# Altium PCB DI543.PcbDoc (part 7 of 8) (continued)
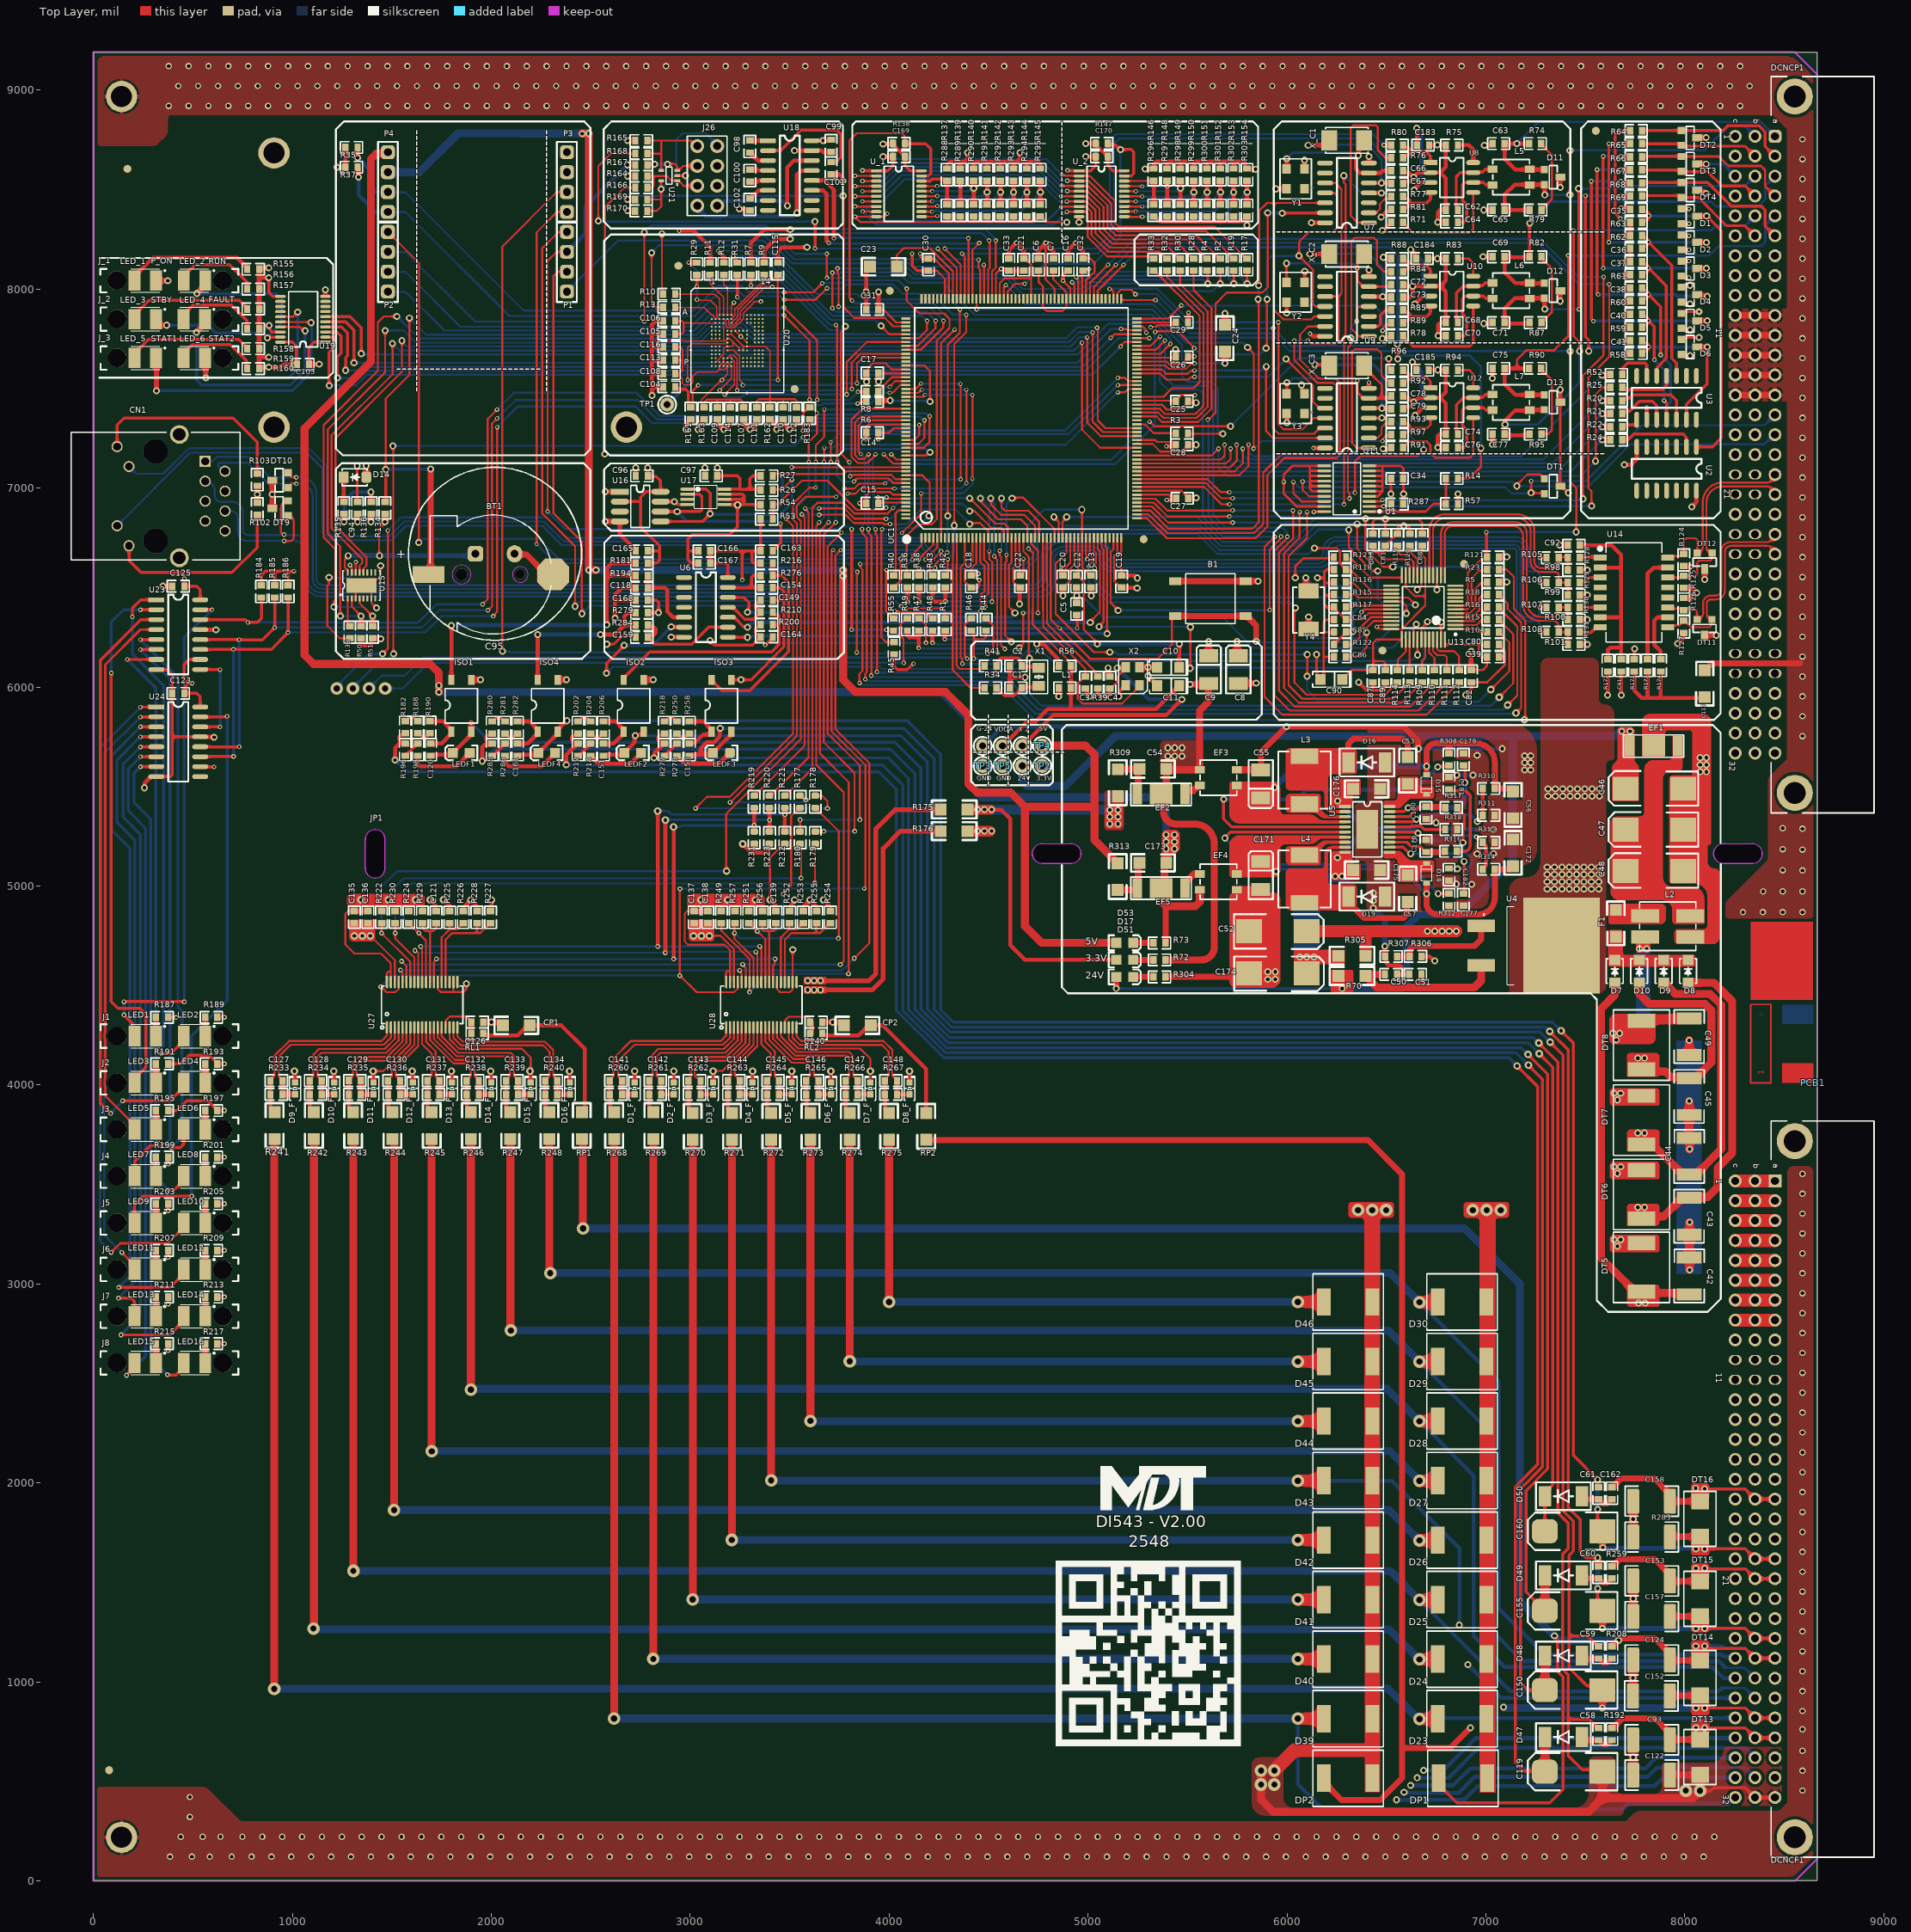
[diagram p0: Top Layer view]
## Nets (pads, with @x,y where several pads share a name; then routed paths per layer and width w, separated by ;. In a path a pad name is that pad's centre, name@x,y a point inside that pad or via, vN(x,y) a via of type N, cw(c..) or ccw(c..) an arc to the next point about the centre after c; other vN are vias at no path point) (continued)
  Top Layer w5.91: v3(3172.88,7471) 3223,7521.12 3223,7637.51 U20.M6@3206.97,7653.54
  Top Layer w10: 3786.81,7501.19 3786.81,7471.6 v3(3787.4,7471) ; 3787,7502 3787,7634 3887.59,7734.59 UC1.163@4084.48,7734.59
  Bottom Layer w10: v3(3172.88,7471) 3188.88,7455 3256.18,7455 3272.18,7471 v3@3786,7471
NetU23_9: U23.9 U24.14 | length 488
  Top Layer w15: U24.14@536.81,5800.16 v3(636.81,5800.2) ; U23.9@536.78,6088.85 537.4,6088.22 636.19,6088.22 v3(636.81,6087.6)
  Bottom Layer w15: v3(636.81,5800.2) v3(636.81,6087.6)
os1: C66.2 U7.6 X_C1.1 Y1.3 | length 780.8
  Top Layer w20: Y1.3@5998.76,8604.46 v1(5998.76,8655.76) ; X_C1.1@6388.5,8748.08 6360.27,8719.86 6360.27,8673.27 v1(6359.25,8672.24) 6359.25,8668.19 6346.91,8655.85 6346.91,8604.86 6367.01,8584.77 6411.23,8584.77 U7.6@6412,8584 6470,8584 6481.15,8595.15 C66.2@6524,8595.15
  Bottom Layer w11.81: v1(5998.76,8655.76) 6029.02,8686.02 6340.74,8686.02 6354.52,8672.24 v1(6359.25,8672.24)
os2: C72.2 U9.6 X_C2.1 Y2.3 | length 796.2
  Top Layer w11.81: v1(5998.03,8129.92) 5998.03,8035.26 Y2.3@5998.76,8034.53 ; v4(6353,8107) 6354.4,8105.6 6354.4,8042.6 6384,8013 U9.6@6412,8013 6513.91,8013 6524,8023.09 C72.2@6524,8023.89 ; v4@6354.4,8107 6354.4,8142.98 X_C2.1@6388.5,8177.08
  Bottom Layer w11.81: v1(5998.03,8129.92) 6330.08,8129.92 v4(6353,8107)
os3: C78.2 U11.6 X_C3.1 Y3.3 | length 871.5
  Top Layer w11.81: Y3.3@5998.76,7474.94 6000,7476.19 v1(6000,7530.19) ; v3(6354.33,7540.35) 6354.33,7481.67 6384,7452 U11.6@6432.6,7452 ; X_C3.1@6388.5,7616 6388.5,7606 6422.59,7571.91 6424.72,7571.91 6477,7519.63 6477,7452 ; C78.2@6513.91,7452 6524,7462.09 C78.2@6524,7462.78
  Top Layer w17: U11.6@6432.6,7452 6477,7452 C78.2@6513.91,7452
  Bottom Layer w11.81: v1(6000,7530.19) 6005.97,7530.19 6027.89,7552.11 6339.82,7552.11 6351.57,7540.35 v3(6354.33,7540.35)
RD1_N: R131.2 U14.8 | length 116.1
  Top Layer w15: R131.2@7469.65,6273.62 7527.56,6273.62 7547.32,6293.38 7567,6293.38 U14.8@7574.46,6300.84
RD1_P: R130.2 U14.6 | length 101.2
  Top Layer w12: R130.2@7473.25,6400.84 U14.6@7574.46,6400.84
RD2_N: CN1.6 DT9.1 R108.2 | length 7851.2
  Top Layer w10: v3(958.66,6734.25) 986.22,6734.25 ccw(c986.22,6754.92) 1006.89,6754.92 1006.89,6833.28 ccw(c978.89,6833.28) DT9.1@978.89,6861.28 ; v3(7270.67,6276.57) 7305.06,6276.57 R108.2@7305.06,6276.74
  Bottom Layer w10: CN1.6@661.86,6884.84 689.96,6884.84 cw(c689.96,6848.13) 726.68,6848.13 726.68,6778.91 ccw(c770.59,6778.91) 770.59,6735 958.66,6735 1015.59,6735 cw(c1015.59,6690.59) 1060,6690.59 1060,6543 ccw(c1147.59,6543) 1147.59,6455.41 4761.27,6455.41 ccw(c4761.27,6524.14) 4830,6524.14 4830,6544 4830,6635.19 cw(c4881.81,6635.19) 4881.81,6687 5015,6687 cw(c5015,6644) 5058,6644 ccw(c5119,6644) 5119,6583 6162,6583 6162.13,6583 ccw(c6162.13,6666.87) 6221.44,6607.56 ccw(c6172.15,6656.85) 6241.85,6656.85 cw(c6281,6656.85) 6281,6696 7142.58,6696 cw(c7142.58,6684.06) 7154.53,6684.06 7154.53,6381.8 ccw(c7203.43,6381.8) 7203.43,6332.91 7250.76,6332.91 cw(c7250.76,6312.99) 7270.67,6312.99 v3(7270.67,6276.57)
RD2_P: CN1.3 DT9.2 R107.2 | length 8051.9
  Top Layer w10: v3@958.66,6765.75 cw(c958.66,6781.5) 942.91,6781.5 942.91,6900.31 cw(c978.89,6900.31) DT9.2@978.89,6936.28 ; v3(7270.67,6401.57) 7305.06,6401.57 R107.2@7305.06,6401.31
  Bottom Layer w10: CN1.3@561.86,7034.89 cw(c561.86,6986.51) 610.24,6986.51 610.24,6961.61 ccw(c640.75,6961.61) 640.75,6931.1 695.87,6931.1 cw(c695.87,6875.98) 750.98,6875.98 750.98,6789.03 ccw(c775.01,6789.03) 775.01,6765 1017.71,6765 cw(c1017.71,6703.71) 1079,6703.71 1079,6543 ccw(c1147.59,6543) 1147.59,6474.41 4741.41,6474.41 ccw(c4741.41,6544) 4811,6544 4811,6635.19 cw(c4881.81,6635.19) 4881.81,6706 5015,6706 cw(c5015,6644) 5077,6644 ccw(c5119,6644) 5119,6602 6162.04,6602 6162.13,6602 ccw(c6162.13,6666.87) 6208,6621 ccw(c6172.15,6656.85) 6222.85,6656.85 cw(c6281,6656.85) 6281,6715 7142.58,6715 cw(c7142.58,6684.06) 7173.53,6684.06 7173.53,6381.8 ccw(c7203.43,6381.8) 7203.43,6351.91 7249.54,6351.91 ccw(c7249.54,6373.03) 7270.67,6373.03 v3(7270.67,6401.57)
  other v3: 958.66,6766.73
RD_N: R101.1 R108.1 R131.1 U13.13 | length 1374.6
  Top Layer w10: U13.13@6794.08,6562.05 6793.74,6562.39 6793.74,6770.04 cw(c6833.69,6770.09) 6833.69,6810.04 7135.36,6810.04 cw(c7135.36,6758.39) 7187.01,6758.39 7187.01,6417.87 ccw(c7271.21,6417.76) 7275.38,6333.66 7337.35,6333.66 cw(c7337.35,6304.95) 7366.06,6304.95 R108.1@7366.06,6276.74 R131.1@7412.25,6276.74 R101.1@7412.25,6214.46
RD_P: R100.1 R107.1 R130.1 U13.14 | length 1377.4
  Top Layer w10: U13.14@6774.4,6562.05 6774.74,6562.39 6774.74,6770.09 cw(c6833.69,6770.09) 6833.69,6829.04 7148.68,6829.04 cw(c7148.68,6771.71) 7206.01,6771.71 7206.01,6426.29 ccw(c7280.33,6426.45) 7271.46,6352.66 7336.54,6352.66 ccw(c7336.54,6382.18) 7366.06,6382.18 R107.1@7366.06,6401.31 R130.1@7412.25,6401.31 7412.25,6359.64
RDB_N: DCNCP1.A22 DT11.1 R127.1 U14.9 | length 981.5
  Top Layer w10: U14.9@7914.46,6300.84 7924.22,6310.59 7972.14,6310.59 7980.6,6319.05 7980.6,6322.55 7991.6,6333.55 R127.1@7995.1,6333.55 ; R127.1@8003.88,6329.39 8032.1,6301.18 8124.02,6301.18 8135.9,6313.07 8135.9,6339.65 8136.46,6340.21 cw(c8136.46,6365.45) 8111.22,6365.45 8111.22,6421.26 cw(c8130.61,6421.26) 8130.61,6440.65 8155.51,6440.65 ccw(c8155.51,6487.13) 8202,6487.13 8202,6680 cw(c8232,6680) 8232,6710 8412.28,6710 cw(c8412.28,6668.5) DCNCP1.A22@8453.78,6668.5
RDB_P: DCNCP1.A21 DT11.2 R126.1 U14.11 | length 945.1
  Top Layer w10: U14.11@7914.46,6400.84 7920.62,6394.69 7987.11,6394.69 R126.1@7995.1,6386.7 cw(c8004.06,6386.7) 8004.06,6395.67 8039.37,6395.67 cw(c8039.37,6373.57) 8061.46,6373.57 8061.46,6340.21 ccw(c8061.46,6370.97) 8092.22,6370.97 8092.22,6421.26 cw(c8130.61,6421.26) 8130.61,6459.65 8155.51,6459.65 ccw(c8155.51,6487.13) 8183,6487.13 8183,6680 cw(c8232,6680) 8232,6729 8414.28,6729 ccw(c8414.28,6768.5) DCNCP1.A21@8453.78,6768.5
RET24: C46.2 C47.2 C48.2 C50.1 C51.1 C52.2 C55.2 C56.1 C171.2 C172.1 C174.2 C175.2 C176.2 C177.1 C178.2 C179.1 C180.1 C181.1 C182.1 D16.A D19.A EF1.2 EF3.2 EF4.1 G-24.1 L2.3 R304.2 R307.1 R311.1 R315.1 R318.1 U5.21 | length 4755.9
  Top Layer w20: C55.2@5868.84,5583.25 C55.2@5870.52,5583.25 ; R307.1@6493.54,4645.98 6499.54,4639.98 6499.54,4612.72 6511.26,4601 6568,4601 6584.37,4584.63 6584.37,4556.12 ; C51.1@6553.54,4559.49 C51.1@6553.54,4555.99 6553.67,4556.12 6584.37,4556.12 ; C50.1@6615.19,4556.25 6615.06,4556.12 6584.37,4556.12 ; v1@6659.13,5690.69 6659.13,5693.09 v1(6661.53,5690.69)
  Top Layer w30: R304.2@5390.19,4543.51 5804.12,4543.51 C174.2@5809.61,4549 ; C55.2@5870.52,5583.25 5870.52,5674.02 v1(5998,5801.5) 6585.5,5801.5 6659.13,5727.87 v1@6659.13,5693.09 ; v1(6493,4697) 6493.27,4696.73 6493.27,4646.25 R307.1@6493.54,4645.98 ; EF1.2@7843.5,5703.74 EF1.2@7859.25,5719.49
  Top Layer w35: EF4.1@5749.08,4982.06 C171.2@5867.43,4982.06 ; EF3.2@5749.08,5584.67 C55.2@5867.43,5584.67 ; C52.2@5804,4736 C52.2@5809,4736 ; C171.2@5867,4981.63 C171.2@5867.43,4982.06 ; C171.2@5868.84,4983.47 C171.2@5867.43,4982.06
  Bottom Layer w20: G-24.1@4470.32,5704.24 4567.59,5801.5 v1(5998,5801.5) ; v1(6661.53,5690.69) 6956,5690.69 ; v1(6750,5319) 6751.18,5319 6784.18,5286 v1(7037,5286) ; v1@6851,5558 v1(6854,5558) v1(6935,5558) ; v1@6853,5010 v1@6926,5010 ; v1(6956,5657) 6956,5690.69 ; v1(6956.25,5162) 6956.75,5162.5 7038,5162.5 v1(7038.5,5163) ; v1(7083,5690.69) 6956,5690.69
  Bottom Layer w30: v1(6435,4889.5) 6493,4831.5 ; v1(6493,4697) 6493,4831.5 ; 6493,4837 6493,4831.5
  other v1: 5904,4531 5941,4531 5904,4569 5941,4569 6435,4927.25 6435,4965 6929,5009 6851,5010 8077.74,5574.09 8109.24,5574.09 7194.5,5584.09 7226,5584.09 8077.74,5609.54 8109.24,5609.54 7194.5,5619.54 7226,5619.54 8077.74,5645 8109.24,5645 7194.5,5655 7226,5655
RET24F-1: C58.2 C119.2 C120.2 C122.1 C140.1 CP2.2 D1_F.2 D2_F.2 D3_F.2 D4_F.2 D5_F.2 D6_F.2 D7_F.2 D8_F.2 D39.A D40.A D41.A D42.A D43.A D44.A D45.A D46.A DCNCF1.A32 DCNCF1.B32 DP2.A DT13.A ISO1.2 LEDF1.K U28.7 U28.17 | length 17693.9
  Top Layer w9.84: v5@3114.15,4071.15 3162.62,4071.15 3298.69,4207.22 U28.7@3298.69,4289.32 ; U28.17@3495.54,4289.32 3495.54,4231.26 3543.23,4183.57 3854.43,4183.57 3906.01,4131.99 v5(3906.01,4069.8) ; D7_F.2@3905.6,4012.54 v5@3905.56,4067.35
  Top Layer w14.96: v7@8077.76,452.76 8078.51,452 8129.18,452 8145.69,468.5 8303.5,468.5 8353.5,418.5 DCNCF1.B32@8353.78,418.5 DCNCF1.A32@8453.78,418.5
  Top Layer w15: v5@7267,4211 7362.99,4115.01 7362.99,1849.76 7413.39,1799.37 7413.39,1669.29 7386,1641.91 7386,1064 7413.39,1036.61 7413.39,812 ; C58.2@7567.37,767.39 7563.87,767.39 7519.27,812 7413.39,812 ; C119.2@7586.96,548.23 7576.43,558.76 7485.24,558.76 7413.39,630.61 7413.39,812
  Top Layer w19.68: D1_F.2@2720.61,4012.54 v5@2720.61,4069.6 ; D2_F.2@2917.81,4012.54 v5@2917.81,4069.6 ; D3_F.2@3115.61,4012.54 v5@3115.61,4069.6 ; D4_F.2@3313.56,4012.54 v5@3313.56,4069.6 ; D5_F.2@3511.11,4012.54 v5@3511.11,4069.6 ; C140.1@3674.27,4316 v5(3716.63,4316) 3747,4316 CP2.2@3763,4300 ; D6_F.2@3708.66,4012.54 v5@3708.66,4069.6 ; v5@3899.56,4067.35 v5@3899.56,4069.6 ; D8_F.2@4102.76,4012.54 v5@4102.76,4069.6
  Top Layer w20: C120.2@1695.83,5654.76 1701.51,5660.43 1798.31,5660.43 LEDF1.K@1807.13,5669.26 1893.88,5756.01 1893.88,5770.52 ISO1.2@1899.63,5776.27
  Top Layer w25: ISO1.2@1898.66,5777.23 v6(1898.66,5820.87)
  Top Layer w30: C122.1@7925.84,541.33 7933.71,533.46 DT13.A@8077.76,533.46 8077,532.71 v7(8077,452)
  Top Layer w39.37: v7(5870,554.5) v7(5870,484) 5870,409 5932.1,346.9 7516.9,346.9 7586,416 ; C119.2@7586.96,548.23 7586,547.27 7586,416 ; v7(8077,452) 8077,450.87 8042.13,416 7586,416
  Top Layer w70: v7(5937,554.5) 6039.5,657 6426,657
  Mid-Layer 1 w14.96: v7(8077,452) 8134,452 8150.5,468.5 8303.5,468.5 8353.5,418.5 DCNCF1.B32@8353.78,418.5 DCNCF1.A32@8453.78,418.5
  Mid-Layer 1 w30: v7(8005.24,453.24) v7@8005.87,452.62 ; v7@8076.38,452.62 v7(8077,452)
  Mid-Layer 1 w40: v7@8006.49,452 v7(8077,452)
  Mid-Layer 2 w14.96: v7(8077,452) 8131,452 8147.5,468.5 8303.5,468.5 8353.5,418.5 DCNCF1.B32@8353.78,418.5 DCNCF1.A32@8453.78,418.5
  Mid-Layer 2 w40: v7@8006.49,452 v7(8077,452)
  Bottom Layer w15: v6(1898.66,5820.87) 1997.53,5722 4030,5722 4159,5593 4159,4382.39 4302.39,4239 7238.76,4239 v5(7266.33,4211.43) ; v7(8077,452) 8128,452 8144.52,468.52 8303.76,468.52 DCNCF1.B32@8353.78,418.5 DCNCF1.A32@8453.78,418.5
  Bottom Layer w40: v7@8006.49,452 v7(8077,452)
  other v5: 2720.81,4069.8 2917.81,4069.8 3115.81,4069.8 3313.81,4069.8 3510.81,4069.8 3707.81,4069.8 4102.81,4069.8
  other v7: 5937,484 6358,3371.23 6428.5,3371.23 6499,3371.23
RET24F-2: C59.2 C126.1 C150.2 C151.2 C152.1 CP1.2 D9_F.2 D10_F.2 D11_F.2 D12_F.2 D13_F.2 D14_F.2 D15_F.2 D16_F.2 D23.A D24.A D25.A D26.A D27.A D28.A D29.A D30.A DCNCF1.A28 DCNCF1.B28 DP1.A DT14.A ISO2.2 LEDF2.K U27.7 U27.17 | length 14218.7
  Top Layer w9.84: D11_F.2@1408,4012.73 1408,4061.99 1408.2,4062.19 1416.01,4070 1456.28,4070 1593.5,4207.22 U27.7@1593.5,4289.32 ; U27.17@1790.35,4289.32 1790.35,4231.26 1839.62,4182 2153.82,4182 2198.19,4137.62 v5@2198.19,4070 ; D15_F.2@2195.19,4012.54 v5(2195.19,4070)
  Top Layer w14.96: v1@8097,868.54 8303.74,868.54 DCNCF1.B28@8353.78,818.5 DCNCF1.A28@8453.78,818.5
  Top Layer w15: ISO2.2@2757.48,5758.18 2757.91,5758.18 ISO2.2@2770.4,5770.67 ; v5(7323.33,4215.29) 7388.39,4150.23 7388.39,1859.72 7440.95,1807.16 7440.95,1658.46 7418,1635.52 7418,1231 ; C59.2@7567.37,1178.09 7563.87,1178.09 7510.96,1231 7418,1231 ; C150.2@7586.61,958.22 C150.2@7586.96,958.56 7564.76,980.76 7508.24,980.76 7418,1071 7418,1231
  Top Layer w19.68: D9_F.2@1010.8,4012.74 v5@1010.8,4069.8 ; D9_F.2@1013.6,4012.54 D9_F.2@1013.8,4012.74 ; v5@1013.8,4069.8 v5@1014,4070 ; D10_F.2@1208,4012.74 v5@1208,4069.8 ; D11_F.2@1405.2,4012.92 v5@1405.2,4062.19 ; v5@1408.2,4062.19 v5@1408.2,4069.98 ; D12_F.2@1602.75,4012.74 v5@1602.75,4069.8 ; D13_F.2@1800.3,4012.74 v5@1800.3,4069.8 ; C126.1@1960,4316 v5(2001.26,4316) 2042.52,4316 CP1.2@2058.52,4300 ; D14_F.2@1997.85,4012.74 v5@1997.85,4069.8 ; D15_F.2@2198.39,4012.74 v5@2198.39,4069.8 ; D16_F.2@2392.94,4012.74 v5@2392.94,4069.8
  Top Layer w20: C151.2@2576.34,5660.83 2660.13,5660.83 LEDF2.K@2668.57,5669.26 2721.13,5721.82 2721.13,5754.13 v1(2724,5757) ; v1@2726.87,5758.87 2744.27,5758.87 ISO2.2@2750.53,5765.13
  Top Layer w25: ISO2.2@2769.4,5770.67 ISO2.2@2769.4,5789.36
  Top Layer w30: v1(7586.61,868.11) C150.2@7586.61,958.22 ; C152.1@7924.69,939.56 7932.98,931.27 DT14.A@8077.76,931.27 8077.76,869.09
  Mid-Layer 1 w14.96: v1@8097,868.54 8303.74,868.54 DCNCF1.B28@8353.78,818.5 DCNCF1.A28@8453.78,818.5
  Mid-Layer 2 w14.96: DCNCF1.B28@8353.78,818.5 DCNCF1.A28@8453.78,818.5
  Mid-Layer 2 w15: v1(8100,869) 8100.48,868.52 8303.76,868.52 DCNCF1.B28@8353.78,818.5
  Bottom Layer w15: v1(2724,5757) 2725,5756 4060,5756 4193,5623 4193,4380.74 4307.74,4266 7272,4266 v5@7323.02,4214.98 ; v1(7586.61,868.11) v1@7587.11,868.6 ; v1@8097,868.35 8232.94,868.35 8233.08,868.48 8274.48,868.48 8274.62,868.35 8303.93,868.35 DCNCF1.B28@8353.78,818.5 DCNCF1.A28@8453.78,818.5
  Bottom Layer w39.37: v1(7089,873) 7093,869 v1@7585.72,869 ; v1@7587.11,868.6 v1@8056,868.6 ; v1(8056,869) v1@8097,869
  other v5: 1011,4070 1208,4070 1406,4070 1603,4070 1800,4070 1997,4070 2393,4070
  other v7: 6934.01,3371.23 7004.51,3371.23 7075.01,3371.23
RET24F-3: C60.2 C155.2 C156.2 C157.1 DCNCF1.A24 DCNCF1.B24 DT15.A ISO3.2 LEDF3.K | length 11487.3
  Top Layer w15: v5@7326,4265 7413.39,4177.61 7413.39,1876.61 7474,1816 7474,1652.97 7502.95,1624.02 v1(7561.85,1624.02) 7567.91,1624.02 v1@7567.64,1623.75 ; v1(7561.85,1469.94) 7561.85,1382.44 C155.2@7586.96,1357.33 C155.2@7586.61,1356.99 ; v1@8056.77,1268.48 8303.8,1268.48 DCNCF1.B24@8353.78,1218.5 DCNCF1.A24@8453.78,1218.5
  Top Layer w20: C156.2@2996.7,5654.76 3002.7,5660.76 3054.46,5660.76 ; LEDF3.K@3114.72,5669.26 3106.22,5660.76 3054.46,5660.76 ; LEDF3.K@3114.75,5669.26 3129.72,5684.23 3129.72,5684.97 3201.48,5756.72 3201.48,5770.52 ISO3.2@3207.23,5776.27 ; v1(3151,5793) 3148.13,5790.13 3148.13,5750.56 3121.05,5723.48 3084.54,5723.48 3054.46,5693.4 3054.46,5660.76
  Top Layer w30: v1(7561.85,1624.02) 7561.85,1622.66 7564.77,1619.74 7564.77,1582.03 7565.77,1581.03 C60.2@7567.37,1581.03 ; v1(7586.61,1267.72) C155.2@7586.61,1356.99 ; C157.1@7925.84,1330.71 7927.65,1328.91 DT15.A@8077.76,1328.91
  Mid-Layer 1 w15: v1(8100,1267.72) 8232.31,1267.72 8233.08,1268.48 8274.48,1268.48 8275.25,1267.72 8304.57,1267.72 DCNCF1.B24@8353.78,1218.5 DCNCF1.A24@8453.78,1218.5
  Mid-Layer 1 w30: v1@8057.35,1267.72 v1@8098.65,1267.72
  Mid-Layer 2 w15: v1@8100,1268.48 8303.8,1268.48 DCNCF1.B24@8353.78,1218.5 DCNCF1.A24@8453.78,1218.5
  Mid-Layer 2 w30: v1@8056.77,1267.72 v1(8100,1267.72)
  Bottom Layer w15: v1(3151,5793) 4074,5793 4228,5639 4228,4378.09 4316.09,4290 7300.14,4290 v5(7321,4269.14) ; v1@8057.58,1266.91 v1@8058.39,1267.72 ; v1(8100,1267.72) 8232.31,1267.72 8233.08,1268.48 8274.48,1268.48 8275.25,1267.72 8304.57,1267.72 DCNCF1.B24@8353.78,1218.5 DCNCF1.A24@8453.78,1218.5
  Bottom Layer w25: v1(7561.85,1469.94) v1(7561.85,1624.02) ; v1(7586.61,1267.72) v1@8056.77,1267.72
  Bottom Layer w30: v1@8058.39,1267.72 v1(8100,1267.72)
  other v1: 8056,1267.72
RET24F-4: C61.2 C160.2 C161.2 C162.1 DCNCF1.A20 DCNCF1.B20 DT16.A ISO4.2 LEDF4.K | length 11780.5
  Top Layer w15: v5(7378,4273) 7439.63,4211.37 7439.63,2138.96 v1(7561.85,2016.73) 7564.61,2013.97 7564.61,1981.72 C61.2@7567.37,1978.96 ; v1(7561.85,1866.74) 7561.85,1782.21 C160.2@7586.96,1757.1 C160.2@7588.58,1755.48 ; 8076.77,1668.31 8076.95,1668.48 8077.76,1668.48 8303.8,1668.48 DCNCF1.B20@8353.78,1618.5 DCNCF1.A20@8453.78,1618.5
  Top Layer w20: C161.2@2132.42,5654.76 2138.42,5660.76 2153.58,5660.76 2153.64,5660.81 2227.86,5660.81 LEDF4.K@2236.31,5669.26 2327.74,5760.69 2327.74,5760.88 2329.13,5762.27 2333.49,5762.27 ISO4.2@2333.49,5776.47 ; ISO4.2@2332.76,5775.65 2332.76,5785.58 2378.18,5831 v1(2380,5831)
  Top Layer w30: v1(7587.6,1674.21) 7587.6,1754.49 C160.2@7588.58,1755.48 ; C162.1@7933.47,1730.48 DT16.A@8077.76,1730.48 8077.76,1668.48
  Mid-Layer 1 w15: v1@8100,1668.48 8303.8,1668.48 DCNCF1.B20@8353.78,1618.5 DCNCF1.A20@8453.78,1618.5
  Mid-Layer 1 w30: v1@8056.77,1668.72 v1(8100,1668.72)
  Mid-Layer 2 w15: v1@8100,1668.48 8303.8,1668.48 DCNCF1.B20@8353.78,1618.5 DCNCF1.A20@8453.78,1618.5
  Mid-Layer 2 w30: v1@8056.77,1668.72 v1(8100,1668.72)
  Bottom Layer w15: v1(2380,5831) 4092,5831 4260,5663 4260,4378.44 4322.44,4316 7335,4316 v5(7378,4273) ; v1(7587.6,1674.21) v1@7590.55,1671.26 ; v1@8105.32,1668.52 8303.76,1668.52 DCNCF1.B20@8353.78,1618.5 DCNCF1.A20@8453.78,1618.5
  Bottom Layer w25: v1(7561.85,1866.74) v1(7561.85,2016.73) ; v1@7590.55,1671.26 v1@8056.77,1671.26
  Bottom Layer w30: v1@8056.77,1668.72 v1(8100,1668.72)
  other v1: 8056,1668.72
RX: U18.12 UC1.144 | length 1357.4
  Top Layer w10: v3(4399,8255.85) 4399.22,8255.63 4399.22,7969.75 4399.44,7969.53 UC1.144@4399.44,7951.13
  Top Layer w20: U18.12@3611.19,8546.51 3675.5,8546.51 3722.44,8499.57 v3(3722.44,8255.85)
  Bottom Layer w10: v3(3722.44,8255.85) 3724.32,8257.73 4397.12,8257.73 v3(4399,8255.85)
SPI4_BURST: R221.1 R232.1 U27.29 U28.29 | length 3516.4
  Top Layer w9.84: v4@1644.27,4695.27 1644.27,4691.98 1652.56,4683.69 U27.29@1652.56,4517.67 ; v4(3350,4697.17) 3357.74,4689.43 U28.29@3357.74,4517.67
  Top Layer w19.68: v4(2837,4696.55) v5(2837,5377) ; R232.1@3475.62,5273.88 3475.81,5274.07 3475.81,5359.17 v4(3476,5359.36) ; v4@3475.62,5359.36 R221.1@3475.62,5393.07
  Bottom Layer w9.84: v4@1644.27,4695.27 1645.14,4696.14 2837,4696.14 3348.97,4696.14 v4(3350,4697.17)
  Bottom Layer w11.81: v5(2837,5377) 2889,5377 2906,5360 3475.36,5360 v4(3476,5359.36)
  other v4: 1645.27,4696.27
SPI4_CS1: R249.2 U28.32 UC1.87 | length 5354.5
  Top Layer w9.84: R249.2@3157.28,4812.47 3157.28,4774.85 3298.69,4633.44 U28.32@3298.69,4517.67 v4@3298.71,4466.76
  Top Layer w10: 3652.82,6785.48 v3(3695.76,6828.41) ; 3652.84,6785.46 3652.84,5666.16 3797,5522 3797,4560 v4(3796,4559) ; v6@3704.72,7229.33 3704.72,7226.62 3707.16,7224.18 v3(3707.16,7130.67) ; v3(5150.02,7518) 5150.08,7518.06 UC1.87@5245.9,7518.06
  Bottom Layer w9.84: v4(3298.74,4466.74) 3391,4559 v4(3796,4559)
  Bottom Layer w10: v3(3695.76,6828.41) 3695.76,7118.82 3707.16,7130.22 v3(3707.16,7130.67) ; v6@3704.72,7229.33 v6(3706.69,7231.3) 3747.24,7271.85 4902.85,7271.85 5149,7518 v3(5150.02,7518)
SPI4_CS2: R222.2 U27.32 UC1.175 | length 5992.7
  Top Layer w9.84: R222.2@1448.62,4812.61 v4(1448.62,4763.38) 1593.5,4618.5 U27.32@1593.5,4517.67 ; v5@3181.19,5075.91 v5@3181.19,5076.81 ; v5(3183,5075) v5@3181.19,5076.81 ; 3722,6957 3579.66,6957 3535.08,6912.42 3535.08,6855.92 3556.2,6834.8 3556.2,5738.02 3181.19,5363.01 v5@3181.19,5076.81 ; v6(3775.18,6998.18) 3825.18,6998.18 3850,7023 3980.08,7023 v6(3981,7023.92) ; UC1.175@4084.48,7498.37 4132.98,7498.37 4159.61,7525 v6(4160,7525) ; v6(4359,7524) 4359.5,7523.5 4359.5,7044.5 v6(4360,7044)
  Bottom Layer w9.84: v4(1448.62,4763.38) 1448.62,4996.62 1527,5075 v5(3183,5075) ; v6(3733,6957) v6@3774.68,6998.68 ; v6(3981,7023.92) 4001.08,7044 v6(4360,7044) ; v6(4160,7525) 4160.5,7524.5 4358.5,7524.5 v6(4359,7524)
SPI4_FAULT: R219.1 R231.2 U27.26 U28.26 | length 3132.2
  Top Layer w9.84: U27.26@1711.61,4517.67 1711.61,4619.54 v4@1725,4632.92 ; U28.26@3416.8,4517.67 3416.8,4599.51 3425.53,4608.24 3425.53,4632.53 v4(3427,4634)
  Top Layer w19.68: v4(2917,4633.24) v5(2917,5297) ; v4@3322,5306.19 3322.06,5306.13 R231.2@3322.12,5273.88 R231.2@3322.12,5273.88 ; v4@3322.12,5309.09 R219.1@3322.12,5393.07
  Bottom Layer w9.84: v4@1725,4632.92 1725.16,4633.08 2916.84,4633.08 v4(2917,4633.24) ; v4@2917,4633.46 3426.46,4633.46 v4(3427,4634)
  Bottom Layer w11.81: v5(2917,5297) 2949,5297 2957.19,5305.19 v4(3322,5305.19)
  other v4: 1724,4633.92
SPI4_INT1: R178.2 R257.2 U28.31 | length 1575.9
  Top Layer w9.84: R257.2@3222.3,4812.61 3222.3,4734.88 3318.37,4638.81 U28.31@3318.37,4517.67 ; R178.2@3629.12,5393.07 3632.62,5393.07 3643.7,5381.99 3643.7,5378.49 3747,5275.19 3747,4738.68 v4(3745.32,4737)
  Bottom Layer w9.84: v4(3223,4764) 3250,4737 v4(3745.32,4737)
SPI4_INT2: R180.2 R230.2 U27.31 | length 2802.3
  Top Layer w9.84: R230.2@1517.12,4812.61 v4(1517.12,4763.38) 1517.12,4736.88 1613.19,4640.81 U27.31@1613.19,4517.67 ; R180.2@3552.37,5212.88 3558,5207.25 v4@3558,5039
  Bottom Layer w9.84: v4(1517.12,4763.38) 1517.12,4996.12 1560,5039 v4@3558,5039
  other v4: 3558,5040
SPI4_MISO: U27.35 U28.35 UC1.4 | length 5777.2
  Top Layer w9.84: v4(1445,4494) 1473,4466 1517,4466 1534.07,4483.07 1534.07,4517.29 U27.35@1534.45,4517.67 ; v4@2947.84,4986.16 2948,4986 v4(2948,4550) ; v4@2948,4551 3033,4466 3220.32,4466 3239.26,4484.94 3239.26,4517.29 U28.35@3239.63,4517.67 ; 3710.69,6680.23 3710.69,5778.31 3881,5608 3881,4997.29 3875,4991.29 v3(3875,4988) ; 3710.82,6680.23 v6(3719.59,6689)
  Top Layer w10: v3@4152.15,6641.31 4152.15,6646.66 4222.28,6716.78 UC1.4@4222.28,6750.34
  Bottom Layer w9.84: v4(1445,4494) 1502,4551 2947,4551 v4(2948,4550) ; v4@2947.84,4986.16 2948.76,4987.08 3874.08,4987.08 v3(3875,4988)
  Bottom Layer w10: v6(3719.59,6689) 3745.59,6663 3777,6663 3785.5,6671.5 4122.16,6671.5 4143.13,6650.53 4143.13,6649.74 v3@4152.54,6640.33
  other v3: 4149.86,6639.76
  other v4: 2948.84,4986.16
SPI4_MOSI: U27.34 U28.34 UC1.5 | length 5182.6
  Top Layer w9.84: v4@1544,4576.92 1544,4573.63 1553.76,4563.87 1553.76,4518.04 U27.34@1554.13,4517.67 ; v4(3249,4576) 3249,4574.02 3259.32,4563.69 U28.34@3259.32,4517.67 ; v6(3755.47,6688.47) 3730,6663 3730,5789 3901,5618 3901,4713 v4(3825,4637)
  Top Layer w10: v3(4182.59,6639.76) 4182.59,6642.44 4242,6701.84 UC1.5@4241.96,6750.34 UC1.5@4241.96,6750.34
  Bottom Layer w9.84: v4@1544,4576.92 3248.08,4576.92 v4(3249,4576) 3763,4576 3824,4637 v4(3825,4637)
  Bottom Layer w10: v6(3755.47,6688.47) 3756.38,6689.38 4140.85,6689.38 v3@4186.53,6643.7
  other v4: 1544,4577.92
SPI4_RST: R220.1 R223.2 U27.30 U28.30 | length 3349
  Top Layer w9.84: v4@1618,4677 1632.87,4662.13 U27.30@1632.87,4517.67 ; v4(3330,4669) 3330,4665.17 3338.06,4657.11 U28.30@3338.06,4517.67
  Top Layer w19.68: v4(2875,4665) 2875.42,4665.42 2875.42,5331.58 v5(2875.84,5332) ; R223.2@3398.87,5273.88 R223.2@3398.87,5273.88 3398.94,5333.03 v4@3399,5333.09 ; v4@3398.87,5333.09 R220.1@3398.87,5393.07
  Bottom Layer w9.84: v4@1618,4677 1621.29,4677 1633.29,4665 v4(2875,4665) 2877.33,4667.33 2885.17,4667.33 2886.84,4669 v4(3330,4669)
  Bottom Layer w11.81: v5(2875.84,5332) 2876.94,5333.09 v4@3399,5333.09
  other v4: 1617,4676 3399,5332.09
SPI4_SCK: U27.33 U28.33 UC1.86 | length 6800.4
  Top Layer w9.84: v4(1549,4622) 1573.82,4597.18 U27.33@1573.82,4517.67 ; v4(3264.39,4606.32) 3264.39,4602.49 3279,4587.87 U28.33@3279,4517.67
  Top Layer w10: v3(3648.21,6828) 3648.21,6824.75 3633.52,6810.06 3633.52,5609.48 3772.32,5470.68 3772.32,4623.39 v4(3754.96,4606.04) ; v3(3672.78,7131.43) 3673.5,7132.15 3673.5,7203.02 v6(3674.21,7203.74) ; v3(5149.97,7481.39) 5185.33,7481.39 5202,7498.06 ; 5202,7498.37 UC1.86@5245.9,7498.37
  Bottom Layer w9.84: v4(1549,4622) 1564.68,4606.32 v4(3264.39,4606.32) ; v4@3265.33,4606.33 3265.48,4606.18 3754.82,4606.18 v4(3754.96,4606.04)
  Bottom Layer w10: v3(3648.21,6828) 3674.21,6854 3674.21,7130 v3(3672.78,7131.43) ; v6@3674.21,7203.76 3721.48,7203.76 3736.22,7218.5 4888.5,7218.5 4998.38,7328.38 4998.38,7332.03 v3@5151.68,7485.32
SPI4_Sync1: R177.1 R251.2 U28.28 | length 1093.4
  Top Layer w9.84: R251.2@3297.64,4812.61 v4(3337.54,4772.72) 3377.43,4732.82 U28.28@3377.43,4517.67 ; v3(3467,4960) 3507.92,5000.92 3507.92,5352.12 3548.87,5393.07 R177.1@3552.37,5393.07
  Bottom Layer w9.84: v4(3337.54,4772.72) 3429.72,4772.72 3466.55,4809.55 3466.55,4959.55 v3(3467,4960)
SPI4_Sync2: R179.2 R224.2 U27.28 | length 2863.7
  Top Layer w9.84: R224.2@1585.62,4812.61 1589.12,4812.61 1600.2,4801.53 1600.2,4798.03 1672.24,4725.98 U27.28@1672.24,4517.67 ; v4(3627,5014) 3627,5210.76 R179.2@3629.12,5212.88
  Bottom Layer w9.84: v4(1636.22,4763.38) 1555,4844.6 1555,4971 1597.08,5013.08 3626.08,5013.08 v4(3627,5014)
TD1_N: R129.2 U14.3 | length 111.6
  Top Layer w12: R129.2@7473.25,6525.88 7478.1,6530.73 7500.22,6530.73 7520.33,6550.84 U14.3@7574.46,6550.84
TD1_P: R128.2 U14.1 | length 103.1
  Top Layer w17: R128.2@7473.25,6654.15 7571.16,6654.15 cw(c7571.16,6650.84) U14.1@7574.46,6650.84
TD2_N: CN1.2 DT10.1 R106.2 | length 7788.2
  Top Layer w10: DT10.1@978.81,7002.21 991.81,7015.21 991.81,7021.52 995.01,7024.71 1005.95,7024.71 1007.38,7023.29 1018.56,7023.29 v3(1020.02,7021.83) ; v3@7272.64,6525.59 7294.3,6525.59 R106.2@7305.06,6536.35
  Bottom Layer w10: CN1.2@661.86,7084.89 655.05,7084.89 627.69,7112.25 627.69,7122.03 633.55,7127.89 773.49,7127.89 878.55,7022.83 v3@1020.02,7022.83 ; v3(1020.02,7021.83) 1020.77,7021.08 1039.43,7021.08 cw(c1039.43,6958.52) 1102,6958.52 1102,6545 ccw(c1154,6545) 1154,6493 4720.4,6493 ccw(c4720.4,6557.6) 4785,6557.6 4785,6646 cw(c4869,6646) 4869,6730 5034,6730 cw(c5034,6669) 5095,6669 ccw(c5143,6669) 5143,6621 6153.06,6621 ccw(c6153.14,6662.16) 6182.94,6633.77 ccw(c6133.47,6680.87) 6201.73,6683.3 ccw(c6133.47,6680.87) 6201.71,6683.8 cw(c6211.71,6684.17) 6201.71,6684.01 cw(c6251.19,6684.52) 6251.19,6734 7153.8,6734 cw(c7153.8,6692.91) 7194.88,6692.91 7194.88,6609.25 ccw(c7223.43,6609.25) 7223.43,6580.71 7248.03,6580.71 cw(c7248.03,6557.09) 7271.65,6557.09 v3@7271.65,6526.58
  other v3: 7270.67,6525.59
TD2_P: CN1.1 DT10.2 R105.2 | length 7803.1
  Top Layer w10: DT10.2@978.81,7077.21 991.81,7064.21 991.81,7060.57 997.67,7054.71 1019.14,7054.71 v3(1020.02,7053.83) ; v3(7270.67,6650.59) 7301.5,6650.59 R105.2@7305.06,6654.15
  Bottom Layer w10: CN1.1@561.86,7134.89 562.74,7135.77 599,7135.77 621.12,7157.89 785.91,7157.89 890.97,7052.83 1019.02,7052.83 v3(1020.02,7053.83) ; v3@1024.77,7051.68 1026.96,7053.87 1041.47,7053.87 cw(c1041.47,6974.34) 1121,6974.34 1121,6545 ccw(c1154,6545) 1154,6512 4720.4,6512 ccw(c4720.4,6557.6) 4766,6557.6 4766,6642.72 4767.03,6660.54 cw(c4869,6646) 4869,6749 5034,6749 cw(c5034,6669) 5114,6669 ccw(c5143,6669) 5143,6640 6142.74,6640 6153.02,6640 ccw(c6153.02,6670.05) 6153.95,6640.01 6154.08,6640.02 ccw(c6153.14,6662.16) 6169.22,6646.91 ccw(c6133.47,6680.87) 6182.73,6683.08 ; 6182.71,6683.82 cw(c6251.19,6684.52) 6190.17,6715.6 ccw(c6181.24,6720.11) 6190.26,6715.79 cw(c6249.04,6687.97) 6190.39,6716.06 cw(c6249.04,6687.97) 6238.48,6752.14 6241.16,6753 7153.8,6753 cw(c7153.8,6692.91) 7213.88,6692.91 7213.88,6617.81 ccw(c7231.98,6617.81) 7231.98,6599.71 7242.72,6599.71 ccw(c7242.72,6625.74) 7268.76,6625.74 7268.76,6648.68 v3(7270.67,6650.59)
TD_N: R99.1 R106.1 R129.1 U13.16 | length 1239.9
  Top Layer w10: U13.16@6735.03,6562.05 6734.69,6562.39 6734.69,6788.12 cw(c6798.74,6785.3) 6798.74,6849.41 7158.17,6849.41 cw(c7158.17,6782.48) 7225.09,6782.48 7225.09,6633.17 ccw(c7279.53,6633.17) 7279.53,6578.74 7349.41,6578.74 cw(c7349.41,6562.09) 7366.06,6562.09 R106.1@7366.06,6536.35 ; R106.1@7366.06,6525.88 R129.1@7412.25,6525.88 R99.1@7412.25,6477.45
TD_P: R98.1 R105.1 R128.1 U13.17 | length 1292.2
  Top Layer w10: U13.17@6715.34,6562.05 6715.69,6562.39 6715.69,6790.43 cw(c6793.66,6790.43) 6793.66,6868.41 7158.17,6868.41 cw(c7158.17,6782.48) 7244.09,6782.48 7244.09,6633.17 ccw(c7279.53,6633.17) 7279.53,6597.74 7339.87,6597.74 ccw(c7339.87,6623.93) 7366.06,6623.93 7366.06,6654.15 7412.25,6654.15 R98.1@7412.25,6595.25
TDB_N: DCNCP1.A19 DT12.1 R125.1 U14.14 | length 1008
  Top Layer w10: U14.14@7914.46,6550.84 7986.98,6550.84 ccw(c7986.98,6558.96) R125.1@7995.1,6558.96 ccw(c7995.99,6558.96) 7995.99,6558.07 8047.24,6558.07 ccw(c8047.24,6573.82) 8062.99,6573.82 8062.99,6620.08 cw(c8078.74,6620.08) 8078.74,6635.83 8122.05,6635.83 ccw(c8122.05,6651.67) 8137.89,6651.67 DT12.1@8137.89,6673.5 8124.89,6676.65 8124.84,6676.65 cw(c8137.89,6702.15) 8109.25,6702.15 8109.25,6927.25 cw(c8191,6927.25) 8191,7009 8413.28,7009 cw(c8413.28,6968.5) DCNCP1.A19@8453.78,6968.5